# Allegro board SG2042_EVB_V1_1.brd (continued)
## Routing (per net, layer and track width the routed paths; a pad name or vN(x,y) marks a point on that pad's centre or on a via; arc(x,y) is an arc through that point) (continued)
DDR2_DQ50: length 60.8
  TOP w0.16: U1.BM5 v1(113.97,82.15)
  ART03 w0.089: 108.95,77.82 109.32,78.19 109.32,78.34 109.73,78.74 113.15,78.74 113.38,78.97 113.38,81.55 v1(113.97,82.15)
  ART03 w0.168: J3.126 70.01,58.12 arc(70.33,58.06) 70.61,57.88 70.81,57.67 arc(71.08,57.49) 71.4,57.43 72.38,57.43 arc(72.64,57.48) 72.86,57.62 73.26,58.03 arc(73.54,58.21) 73.86,58.28 75.7,58.28 arc(76.02,58.21) 76.29,58.03 76.7,57.62 arc(76.92,57.48) 77.17,57.43 77.2,57.43 arc(77.45,57.48) 77.66,57.62 78.07,58.03 arc(78.35,58.21) 78.67,58.28 79.5,58.28 arc(79.82,58.21) 80.09,58.03 80.5,57.62 arc(80.72,57.48) 80.97,57.43 81.27,57.43 81.41,57.56 85.09,57.56 87.31,59.79 87.31,60.91 104.04,77.65 108.78,77.65 108.95,77.82
DDR2_DQ51: length 60.9
  TOP w0.16: U1.BM7 v1(115.97,82.15)
  ART03 w0.089: v1(115.97,82.15) 115.38,81.55 113.66,81.55 113.57,81.46 113.57,78.89 113.22,78.55 109.81,78.55 109.51,78.26 109.51,78.11 109.36,77.96 109.36,77.4
  ART03 w0.168: J3.271 69.99,57.27 arc(70.16,57.16) 70.36,57.11 73.31,57.11 arc(73.63,57.18) 73.9,57.36 74.26,57.72 arc(74.53,57.9) 74.85,57.97 75.59,57.97 arc(75.85,57.91) 76.07,57.77 76.47,57.36 arc(76.75,57.18) 77.07,57.11 77.39,57.11 arc(77.71,57.18) 77.98,57.36 78.4,57.77 arc(78.61,57.92) 78.86,57.97 79.4,57.97 arc(79.65,57.92) 79.86,57.77 80.27,57.36 arc(80.55,57.18) 80.87,57.11 81.27,57.11 81.41,56.98 85.33,56.98 87.9,59.55 87.9,60.67 104.29,77.06 109.02,77.06 109.36,77.4
DDR2_DQ52: length 66.8
  TOP w0.16: U1.BH8 v1(116.97,86.15)
  ART03 w0.089: 108.47,84.6 108.78,84.91 108.78,85.79 109.73,86.74 116.38,86.74 v1(116.97,86.15)
  ART03 w0.168: J3.117 68.11,65.77 arc(68.43,65.71) 68.71,65.53 69.06,65.17 arc(69.34,64.99) 69.66,64.92 70.01,64.92 arc(70.33,64.99) 70.61,65.17 70.96,65.53 arc(71.24,65.71) 71.56,65.77 71.8,65.77 arc(72.12,65.84) 72.39,66.02 72.91,66.53 arc(73.18,66.71) 73.5,66.78 75.7,66.78 arc(76.02,66.71) 76.29,66.53 76.7,66.12 arc(76.92,65.98) 77.17,65.93 77.2,65.93 arc(77.45,65.98) 77.66,66.12 78.07,66.53 arc(78.35,66.71) 78.67,66.78 79.5,66.78 arc(79.82,66.71) 80.09,66.53 80.5,66.12 arc(80.72,65.98) 80.97,65.93 81.27,65.93 81.45,66.11 82.65,66.11 91.88,75.35 92.12,75.35 92.67,74.8 92.91,74.8 93.2,75.09 93.2,75.33 92.65,75.88 92.65,76.12 92.95,76.41 93.19,76.41 93.74,75.86 93.97,75.86 94.27,76.16 94.27,76.4 93.72,76.95 93.72,77.18 94.02,77.48 94.26,77.48 94.8,76.93 95.05,76.93 101.64,83.52 107.38,83.52 108.47,84.6
DDR2_DQ53: length 65
  TOP w0.16: U1.BH6 v1(114.97,86.15)
  ART03 w0.089: 108.88,84.19 108.97,84.27 108.97,85.71 109.81,86.55 114.57,86.55 v1(114.97,86.15)
  ART03 w0.168: J3.262 71.88,64.92 arc(72.13,64.97) 72.34,65.11 73.45,66.22 arc(73.72,66.4) 74.04,66.46 75.59,66.46 arc(75.85,66.41) 76.07,66.27 76.47,65.86 arc(76.75,65.68) 77.07,65.62 77.9,65.62 arc(78.22,65.68) 78.49,65.86 78.9,66.27 arc(79.12,66.42) 79.37,66.46 79.4,66.46 arc(79.65,66.42) 79.86,66.27 80.27,65.86 arc(80.55,65.68) 80.87,65.62 81.27,65.62 81.45,65.44 82.81,65.44 86.17,68.8 86.4,68.8 86.96,68.25 87.19,68.25 87.49,68.54 87.49,68.78 86.94,69.33 86.94,69.57 87.24,69.87 87.47,69.87 88.02,69.31 88.26,69.31 88.56,69.61 88.56,69.85 88.01,70.4 88.01,70.64 88.3,70.93 88.54,70.93 89.09,70.38 89.33,70.38 89.63,70.68 89.63,70.91 89.07,71.47 89.07,71.7 89.37,72 89.61,72 90.16,71.45 90.4,71.45 90.69,71.75 90.69,71.98 90.14,72.53 90.14,72.77 90.44,73.07 90.67,73.07 91.23,72.52 91.46,72.52 91.76,72.81 91.76,73.05 91.21,73.6 91.21,73.84 91.5,74.14 91.74,74.14 92.29,73.58 92.53,73.58 101.88,82.93 107.63,82.93 108.88,84.19
DDR2_DQ54: length 62
  TOP w0.16: U1.BL6 v1(114.97,83.15)
  ART03 w0.089: 108.59,78.85 108.84,78.85 109.73,79.74 112.15,79.74 112.38,79.97 112.38,82.47 112.65,82.74 114.57,82.74 v1(114.97,83.15)
  ART03 w0.168: 108.59,78.85 103.59,78.85 84.45,59.71 83.58,59.71 83.41,59.54 83.41,59.04 83.25,58.88 82.83,58.88 82.66,59.04 82.66,59.54 82.49,59.71 81.85,59.71 81.27,59.13 80.97,59.13 arc(80.72,59.18) 80.5,59.32 80.09,59.73 arc(79.82,59.91) 79.5,59.98 78.67,59.98 arc(78.35,59.91) 78.07,59.73 77.66,59.32 arc(77.45,59.18) 77.2,59.13 77.17,59.13 arc(76.92,59.18) 76.7,59.32 76.29,59.73 arc(76.02,59.91) 75.7,59.98 73.86,59.98 arc(73.54,59.91) 73.26,59.73 72.86,59.32 arc(72.64,59.18) 72.38,59.13 71.4,59.13 arc(71.08,59.19) 70.81,59.37 70.61,59.58 arc(70.33,59.76) 70.01,59.82 J3.124
DDR2_DQ55: length 63.3
  TOP w0.16: U1.BL8 v1(116.97,83.15)
  ART03 w0.089: v1(116.97,83.15) 116.38,82.55 112.73,82.55 112.57,82.39 112.57,79.9 112.19,79.52 109.78,79.52 108.51,78.26
  ART03 w0.168: J3.269 69.99,58.97 arc(70.16,58.86) 70.36,58.81 73.31,58.81 arc(73.63,58.88) 73.9,59.06 74.26,59.42 arc(74.53,59.6) 74.85,59.67 75.59,59.67 arc(75.85,59.61) 76.07,59.47 76.47,59.06 arc(76.75,58.88) 77.07,58.81 77.39,58.81 arc(77.71,58.88) 77.98,59.06 78.4,59.47 arc(78.61,59.62) 78.86,59.67 79.4,59.67 arc(79.65,59.62) 79.86,59.47 80.27,59.06 arc(80.55,58.88) 80.87,58.81 81.27,58.81 81.94,58.15 83.72,58.15 84.18,58.61 84.42,58.61 84.73,58.3 84.97,58.3 85.27,58.6 85.27,58.83 84.95,59.15 84.95,59.38 85.25,59.68 85.49,59.68 85.81,59.35 86.05,59.35 86.35,59.65 86.35,59.89 86.02,60.21 86.02,60.45 103.8,78.23 108.49,78.23 108.51,78.26
DDR2_DQ56: length 67.7
  TOP w0.16: U1.BN7 v1(115.97,81.15)
  ART03 w0.089: v1(115.97,81.15) 115.38,80.55 115.38,77.97 114.46,77.06 113.48,77.06
  ART03 w0.168: J3.130 70.01,54.72 arc(70.33,54.66) 70.61,54.48 70.81,54.27 arc(71.08,54.09) 71.4,54.03 72.38,54.03 arc(72.64,54.08) 72.86,54.22 73.26,54.63 arc(73.54,54.81) 73.86,54.88 75.7,54.88 arc(76.02,54.81) 76.29,54.63 76.7,54.22 arc(76.92,54.08) 77.17,54.03 77.2,54.03 arc(77.45,54.08) 77.66,54.22 78.07,54.63 arc(78.35,54.81) 78.67,54.88 79.5,54.88 arc(79.82,54.81) 80.09,54.63 80.5,54.22 arc(80.72,54.08) 80.97,54.03 81.27,54.03 82.02,54.78 88.54,54.78 88.71,54.62 88.71,53.89 88.88,53.72 89.3,53.72 89.47,53.89 89.47,55.15 89.63,55.32 90.05,55.32 90.22,55.15 90.22,53.89 90.39,53.72 91.13,53.72 108.35,70.94 108.35,71.92 113.48,77.06
DDR2_DQ57: length 65.8
  TOP w0.16: U1.BR7 v1(115.97,79.15)
  ART03 w0.089: v1(115.97,79.15) 115.57,78.74 115.57,77.89 114.54,76.86 114.12,76.86 113.92,76.67
  ART03 w0.168: 113.92,76.67 108.93,71.67 108.93,70.7 91.37,53.13 88.14,53.13 87.98,53.3 87.98,53.88 87.81,54.05 87.39,54.05 87.22,53.88 87.22,53.3 87.05,53.13 86.63,53.13 86.47,53.3 86.47,53.88 86.3,54.05 85.88,54.05 85.71,53.88 85.71,53.3 85.54,53.13 85.13,53.13 84.96,53.3 84.96,53.88 84.79,54.05 84.37,54.05 84.2,53.88 84.2,53.3 84.04,53.13 83.62,53.13 83.45,53.3 83.45,53.88 83.28,54.05 82.86,54.05 82.69,53.88 82.69,53.3 82.53,53.13 81.86,53.13 81.27,53.71 80.87,53.71 arc(80.55,53.78) 80.27,53.96 79.86,54.37 arc(79.65,54.52) 79.4,54.57 78.86,54.57 arc(78.61,54.52) 78.4,54.37 77.98,53.96 arc(77.71,53.78) 77.39,53.71 77.07,53.71 arc(76.75,53.78) 76.47,53.96 76.07,54.37 arc(75.85,54.51) 75.59,54.57 74.85,54.57 arc(74.53,54.5) 74.26,54.32 73.9,53.96 arc(73.63,53.78) 73.31,53.71 70.36,53.71 arc(70.16,53.76) 69.99,53.87 J3.275
DDR2_DQ58: length 73.9
  TOP w0.16: U1.BN10 v1(118.97,81.15)
  ART03 w0.168: J3.137 68.11,48.77 arc(68.43,48.71) 68.71,48.53 69.06,48.17 arc(69.34,47.99) 69.66,47.92 70.01,47.92 arc(70.33,47.86) 70.61,47.68 70.96,47.32 arc(71.24,47.14) 71.56,47.07 72.81,47.07 arc(73.13,47.14) 73.4,47.32 73.61,47.52 arc(73.88,47.7) 74.2,47.76 75.59,47.76 arc(75.85,47.71) 76.07,47.57 76.47,47.16 arc(76.75,46.98) 77.07,46.92 77.9,46.92 arc(78.22,46.98) 78.49,47.16 78.9,47.57 arc(79.12,47.72) 79.37,47.76 79.4,47.76 arc(79.65,47.72) 79.86,47.57 80.27,47.16 arc(80.55,46.98) 80.87,46.92 81.27,46.92 81.41,46.78 91.61,46.78 113.6,68.76 113.6,69.72 119.47,75.59 119.47,80.65 v1(118.97,81.15)
DDR2_DQ59: length 66.3
  TOP w0.16: U1.BT10 v1(118.97,78.15)
  ART03 w0.168: J3.282 71.59,47.92 arc(71.73,48.02) 71.91,48.06 75.75,48.06 arc(76.04,48) 76.29,47.83 76.7,47.42 arc(76.92,47.28) 77.17,47.23 77.2,47.23 arc(77.45,47.28) 77.66,47.42 78.07,47.83 arc(78.35,48.01) 78.67,48.08 79.5,48.08 arc(79.82,48.01) 80.09,47.83 80.5,47.42 arc(80.72,47.28) 80.97,47.23 81.27,47.23 81.41,47.36 88.36,47.36 88.53,47.53 88.53,48.45 88.7,48.62 89.12,48.62 89.29,48.45 89.29,47.53 89.45,47.36 89.87,47.36 90.04,47.53 90.04,48.45 90.21,48.62 92.62,48.62 113.01,69.01 113.01,69.96 118.97,75.92 v1(118.97,78.15)
DDR2_DQ60: length 66.5
  TOP w0.16: U1.BP6 v1(114.97,80.15)
  ART03 w0.089: v1(114.97,80.15) 114.38,79.55 114.38,77.92 114.15,77.69 112.46,77.69
  ART03 w0.168: J3.128 70.01,56.42 arc(70.33,56.36) 70.61,56.18 70.81,55.97 arc(71.08,55.79) 71.4,55.73 72.38,55.73 arc(72.64,55.78) 72.86,55.92 73.26,56.33 arc(73.54,56.51) 73.86,56.58 75.7,56.58 arc(76.02,56.51) 76.29,56.33 76.7,55.92 arc(76.92,55.78) 77.17,55.73 77.2,55.73 arc(77.45,55.78) 77.66,55.92 78.07,56.33 arc(78.35,56.51) 78.67,56.58 79.5,56.58 arc(79.82,56.51) 80.09,56.33 80.5,55.92 arc(80.72,55.78) 80.97,55.73 81.27,55.73 81.5,55.96 87.12,55.96 87.66,56.49 92.24,56.49 94.81,59.07 94.81,59.3 94.45,59.67 94.45,59.9 94.75,60.2 94.98,60.2 95.35,59.84 95.58,59.84 95.88,60.13 95.88,60.37 95.52,60.74 95.52,60.97 95.81,61.27 96.05,61.27 96.42,60.9 96.65,60.9 96.95,61.2 96.95,61.44 96.58,61.8 96.58,62.04 96.88,62.34 97.12,62.34 97.48,61.97 97.72,61.97 98.02,62.27 98.02,62.51 97.65,62.87 97.65,63.11 97.95,63.4 98.18,63.4 98.55,63.04 98.79,63.04 100.53,64.79 100.53,66.31 104.44,70.22 104.99,70.22 112.46,77.69
DDR2_DQ61: length 64.9
  TOP w0.16: U1.BR6 v1(114.97,79.15)
  ART03 w0.089: 112.92,77.32 113.1,77.5 114.23,77.5 114.57,77.84 114.57,78.74 v1(114.97,79.15)
  ART03 w0.168: 112.92,77.32 107.76,72.16 107.76,71.18 105.68,69.11 105.45,69.11 104.92,69.63 104.68,69.63 104.39,69.33 104.39,69.1 104.91,68.57 104.91,68.34 104.62,68.04 104.38,68.04 103.85,68.56 103.62,68.56 103.32,68.27 103.32,68.03 103.84,67.51 103.84,67.27 103.55,66.97 103.31,66.97 102.79,67.5 102.55,67.5 102.25,67.2 102.25,66.96 102.78,66.44 102.78,66.2 102.48,65.9 102.24,65.9 101.72,66.43 101.48,66.43 101.18,66.13 101.18,65.9 101.71,65.37 101.71,65.13 92.48,55.91 87.9,55.91 87.37,55.37 81.29,55.37 81.25,55.41 80.87,55.41 arc(80.55,55.48) 80.27,55.66 79.86,56.07 arc(79.65,56.22) 79.4,56.27 78.86,56.27 arc(78.61,56.22) 78.4,56.07 77.98,55.66 arc(77.71,55.48) 77.39,55.41 77.07,55.41 arc(76.75,55.48) 76.47,55.66 76.07,56.07 arc(75.85,56.21) 75.59,56.27 74.85,56.27 arc(74.53,56.2) 74.26,56.02 73.9,55.66 arc(73.63,55.48) 73.31,55.41 70.36,55.41 arc(70.16,55.46) 69.99,55.57 J3.273
DDR2_DQ62: length 70
  TOP w0.16: U1.BR10 v1(118.97,79.15)
  ART03 w0.168: v1(118.97,79.15) 118.49,78.66 118.49,76.27 112.43,70.2 112.43,69.25 92.55,49.38 88.37,49.38 87.5,48.51 83.77,48.51 83.46,48.82 82.37,48.82 82.07,48.51 81.38,48.51 81.27,48.62 80.87,48.62 arc(80.55,48.68) 80.27,48.86 79.86,49.27 arc(79.65,49.42) 79.4,49.46 79.37,49.46 arc(79.12,49.42) 78.9,49.27 78.49,48.86 arc(78.22,48.68) 77.9,48.62 77.07,48.62 arc(76.75,48.68) 76.47,48.86 76.07,49.27 arc(75.85,49.41) 75.59,49.46 74.2,49.46 arc(73.88,49.4) 73.61,49.22 73.56,49.17 arc(73.28,48.99) 72.96,48.92 71.4,48.92 arc(71.08,48.99) 70.81,49.17 70.61,49.38 arc(70.33,49.56) 70.01,49.62 69.66,49.62 arc(69.34,49.69) 69.06,49.87 68.71,50.23 arc(68.43,50.41) 68.11,50.47 J3.135
DDR2_DQ63: length 65.8
  TOP w0.16: U1.BT9 v1(117.97,78.15)
  ART03 w0.168: v1(117.97,78.15) 117.97,76.58 111.84,70.44 111.84,69.49 92.57,50.22 87.56,50.22 87.39,50.06 87.39,49.49 87.22,49.33 86.8,49.33 86.64,49.49 86.64,50.06 86.47,50.22 86.05,50.22 85.88,50.06 85.88,49.49 85.71,49.33 85.3,49.33 85.13,49.49 85.13,50.06 84.96,50.22 84.54,50.22 84.37,50.06 84.37,49.49 84.21,49.33 83.79,49.33 83.62,49.49 83.62,50.06 83.45,50.22 83.04,50.22 82.19,49.38 81.72,49.38 81.27,48.93 80.97,48.93 arc(80.72,48.98) 80.5,49.12 80.09,49.53 arc(79.82,49.71) 79.5,49.78 78.67,49.78 arc(78.35,49.71) 78.07,49.53 77.66,49.12 arc(77.45,48.98) 77.2,48.93 77.17,48.93 arc(76.92,48.98) 76.7,49.12 76.29,49.53 arc(76.02,49.71) 75.7,49.78 71.96,49.78 arc(71.76,49.74) 71.59,49.62 J3.280
DDR2_DQS0_N: length 92.6
  TOP w0.14: U1.AK4 v1(112.97,104.15)
  BOTTOM w0.109: 108.49,106.6 108.49,106.58 108.43,106.52 108.43,106.1 109.78,104.75 112.57,104.75 112.8,104.53 112.8,104.32 v1(112.97,104.15)
  BOTTOM w0.14: 108.49,106.6 108.49,145.9 91.55,162.84 80.97,162.84 arc(80.7,162.89) 80.47,163.04 80.13,163.38 arc(79.8,163.6) 79.41,163.68 79,163.68 arc(78.6,163.6) 78.27,163.38 77.93,163.04 arc(77.7,162.89) 77.44,162.84 77.15,162.84 arc(76.89,162.89) 76.66,163.04 76.31,163.39 arc(75.98,163.61) 75.59,163.69 74.37,163.69 arc(73.97,163.61) 73.64,163.39 73.3,163.04 arc(73.07,162.89) 72.8,162.84 71.12,162.84 arc(71.03,162.86) 70.97,162.93 70.96,162.94 arc(70.95,163.11) 71.06,163.24 J3.152
DDR2_DQS0_P: length 92.6
  TOP w0.14: U1.AK3 v1(111.97,104.15)
  BOTTOM w0.109: v1(111.97,104.15) 112.47,104.15 112.59,104.26 112.59,104.44 112.48,104.54 109.69,104.54 108.22,106.01 108.22,106.52 108.16,106.58 108.16,106.6
  BOTTOM w0.14: 108.16,106.6 108.16,145.76 91.41,162.51 80.97,162.51 arc(80.57,162.59) 80.24,162.81 79.9,163.15 arc(79.67,163.3) 79.41,163.35 79,163.35 arc(78.73,163.3) 78.5,163.15 78.16,162.81 arc(77.83,162.58) 77.44,162.51 77.15,162.51 arc(76.76,162.58) 76.43,162.81 76.08,163.15 arc(75.85,163.31) 75.59,163.36 74.37,163.36 arc(74.1,163.31) 73.87,163.15 73.53,162.81 arc(73.19,162.58) 72.8,162.51 71.12,162.51 arc(70.91,162.52) 70.71,162.54 J3.153
DDR2_DQS1_N: length 84.3
  TOP w0.14: U1.AR3 v1(111.97,99.15)
  BOTTOM w0.109: v1(111.97,99.15) 112.34,99.15 112.45,99.26 112.45,99.42 112.33,99.53 109.64,99.53 108.74,100.43 108.14,100.43 108.08,100.37 108.05,100.37
  BOTTOM w0.14: J3.163 70.24,153.33 arc(70.31,153.17) 70.41,153.04 70.84,152.61 arc(71.17,152.38) 71.57,152.31 72.8,152.31 arc(73.19,152.38) 73.53,152.61 73.87,152.95 arc(74.1,153.1) 74.37,153.16 75.6,153.16 arc(75.87,153.1) 76.09,152.95 76.44,152.61 arc(76.77,152.38) 77.17,152.31 77.5,152.31 arc(77.89,152.38) 78.23,152.61 78.57,152.95 arc(78.8,153.1) 79.07,153.16 79.4,153.16 arc(79.67,153.1) 79.89,152.95 80.24,152.61 arc(80.57,152.38) 80.97,152.31 81.96,152.31 102.56,131.71 102.56,103.91 106.09,100.37 108.05,100.37
DDR2_DQS1_P: length 84.3
  TOP w0.14: U1.AR4 v1(112.97,99.15)
  BOTTOM w0.109: v1(112.97,99.15) 112.97,99.19 112.42,99.75 109.73,99.75 108.83,100.64 108.14,100.64 108.08,100.7 108.05,100.7
  BOTTOM w0.14: J3.164 70.89,153.69 arc(70.73,153.71) 70.6,153.6 70.6,153.6 arc(70.57,153.42) 70.65,153.27 71.07,152.84 arc(71.3,152.69) 71.57,152.64 72.8,152.64 arc(73.07,152.69) 73.3,152.84 73.64,153.19 arc(73.97,153.41) 74.37,153.49 75.6,153.49 arc(75.99,153.41) 76.33,153.19 76.67,152.84 arc(76.9,152.69) 77.17,152.64 77.5,152.64 arc(77.77,152.69) 77.99,152.84 78.34,153.19 arc(78.67,153.41) 79.07,153.49 79.4,153.49 arc(79.79,153.41) 80.13,153.19 80.47,152.84 arc(80.7,152.69) 80.97,152.64 82.1,152.64 102.89,131.85 102.89,104.04 106.23,100.7 108.05,100.7
DDR2_DQS2_N: length 72.8
  TOP w0.14: U1.AJ6 v1(114.97,105.15)
  ART03 w0.109: 108.26,106.91 108.34,106.83 108.34,106.77 109.36,105.75 114.56,105.75 114.79,105.52 114.79,105.33 v1(114.97,105.15)
  ART03 w0.145: 108.26,106.91 104.68,110.49 104.68,127.03 87.61,144.1 80.96,144.1 arc(80.69,144.16) 80.45,144.32 80.1,144.66 arc(79.78,144.88) 79.4,144.95 79.06,144.95 arc(78.68,144.88) 78.36,144.66 78.02,144.32 arc(77.78,144.16) 77.5,144.1 77.16,144.1 arc(76.89,144.16) 76.65,144.32 76.3,144.66 arc(75.98,144.88) 75.6,144.95 74.36,144.95 arc(73.99,144.88) 73.66,144.66 73.32,144.32 arc(73.08,144.16) 72.8,144.1 71.14,144.1 arc(71.05,144.13) 70.99,144.2 arc(70.97,144.4) 71.1,144.56 J3.174
DDR2_DQS2_P: length 72.9
  TOP w0.14: U1.AJ5 v1(113.97,105.15)
  ART03 w0.109: 108.08,106.72 108.1,106.7 108.11,106.7 109.27,105.54 114.47,105.54 114.58,105.43 114.58,105.26 114.47,105.15 v1(113.97,105.15)
  ART03 w0.145: 108.08,106.72 104.42,110.38 104.42,126.92 87.5,143.84 80.96,143.84 arc(80.58,143.91) 80.26,144.13 79.92,144.48 arc(79.68,144.63) 79.4,144.69 79.06,144.69 arc(78.79,144.63) 78.55,144.48 78.2,144.13 arc(77.88,143.91) 77.5,143.84 77.16,143.84 arc(76.78,143.91) 76.46,144.13 76.12,144.48 arc(75.88,144.63) 75.6,144.69 74.36,144.69 arc(74.09,144.63) 73.85,144.48 73.5,144.13 arc(73.18,143.91) 72.8,143.84 70.98,143.84 arc(70.93,143.84) 70.88,143.85 J3.175
DDR2_DQS3_N: length 72.9
  TOP w0.14: U1.AR7 v1(115.97,99.15)
  ART03 w0.109: 107.97,98.82 107.99,98.82 108.02,98.84 108.32,98.84 109.02,99.54 116.43,99.54 116.54,99.43 116.54,99.26 116.43,99.15 v1(115.97,99.15)
  ART03 w0.145: 107.97,98.82 105.47,98.82 96.99,107.3 96.99,121 84.34,133.64 80.95,133.64 arc(80.57,133.71) 80.25,133.93 79.9,134.28 arc(79.67,134.43) 79.39,134.49 79.06,134.49 arc(78.79,134.43) 78.55,134.28 78.2,133.93 arc(77.88,133.71) 77.5,133.64 77.16,133.64 arc(76.78,133.71) 76.46,133.93 76.11,134.28 arc(75.88,134.43) 75.6,134.49 74.36,134.49 arc(74.09,134.43) 73.85,134.28 73.5,133.93 arc(73.18,133.71) 72.8,133.64 71.6,133.64 arc(71.22,133.71) 70.9,133.93 70.45,134.38 arc(70.36,134.5) 70.29,134.64 J3.185
DDR2_DQS3_P: length 72.9
  TOP w0.14: U1.AR8 v1(116.97,99.15)
  ART03 w0.109: v1(116.97,99.15) 116.75,99.37 116.75,99.52 116.52,99.75 108.93,99.75 108.23,99.05 108.02,99.05 107.99,99.08 107.97,99.08
  ART03 w0.145: J3.186 70.95,134.96 arc(70.77,134.98) 70.63,134.86 70.61,134.82 arc(70.59,134.68) 70.65,134.55 71.09,134.12 arc(71.33,133.96) 71.6,133.9 72.8,133.9 arc(73.08,133.96) 73.32,134.12 73.66,134.46 arc(73.99,134.68) 74.36,134.75 75.6,134.75 arc(75.98,134.68) 76.3,134.46 76.65,134.12 arc(76.89,133.96) 77.16,133.9 77.5,133.9 arc(77.78,133.96) 78.01,134.12 78.36,134.46 arc(78.68,134.68) 79.06,134.75 79.39,134.75 arc(79.77,134.68) 80.09,134.46 80.44,134.12 arc(80.67,133.96) 80.95,133.9 84.45,133.9 97.25,121.11 97.25,107.41 105.58,99.08 107.97,99.08
DDR2_DQS4_N: length 44.4
  TOP w0.14: U1.BK1 v1(109.97,84.15)
  BOTTOM w0.109: 108.71,83.36 108.73,83.38 108.82,83.38 109.19,83.75 110.49,83.75 110.6,83.87 110.6,84.04 110.47,84.17 110,84.17 v1(109.97,84.15)
  BOTTOM w0.14: J3.244 71.06,79.94 arc(70.95,79.81) 70.97,79.63 70.97,79.61 arc(71.03,79.56) 71.1,79.54 72.8,79.54 arc(73.07,79.59) 73.29,79.74 73.64,80.09 arc(73.97,80.31) 74.37,80.39 75.6,80.39 arc(75.87,80.44) 76.09,80.59 76.44,80.94 arc(76.77,81.16) 77.17,81.24 77.5,81.24 arc(77.89,81.16) 78.23,80.94 78.57,80.59 arc(78.8,80.44) 79.07,80.39 79.4,80.39 arc(79.67,80.44) 79.89,80.59 80.24,80.94 arc(80.57,81.16) 80.97,81.24 81.87,81.24 82.54,81.91 91.21,81.91 92.47,83.17 108.51,83.17 108.71,83.36
DDR2_DQS4_P: length 44.3
  TOP w0.14: U1.BK2 v1(110.97,84.15)
  BOTTOM w0.109: v1(110.97,84.15) 110.81,83.99 110.81,83.78 110.58,83.54 109.27,83.54 109.04,83.31 109.04,83.23 108.95,83.13
  BOTTOM w0.14: 108.95,83.13 108.65,82.84 92.61,82.84 91.35,81.58 82.68,81.58 82.01,80.91 80.97,80.91 arc(80.7,80.85) 80.47,80.7 80.13,80.36 arc(79.79,80.13) 79.4,80.06 79.07,80.06 arc(78.67,80.13) 78.34,80.36 77.99,80.7 arc(77.77,80.85) 77.5,80.91 77.17,80.91 arc(76.9,80.85) 76.67,80.7 76.33,80.36 arc(75.99,80.13) 75.6,80.06 74.37,80.06 arc(74.1,80) 73.87,79.85 73.53,79.51 arc(73.19,79.28) 72.8,79.21 70.97,79.21 arc(70.91,79.21) 70.85,79.22 J3.245
DDR2_DQS5_N: length 52.8
  TOP w0.14: U1.BP4 v1(112.97,80.15)
  BOTTOM w0.109: v1(112.97,80.15) 112.97,80.41 112.86,80.52 112.69,80.52 112.58,80.41 112.58,77.32 111.99,76.73 111.99,76.64 111.97,76.62
  BOTTOM w0.14: 111.97,76.62 111.05,75.7 98.53,75.7 91.84,69.01 80.97,69.01 arc(80.57,69.08) 80.24,69.31 79.89,69.65 arc(79.67,69.8) 79.4,69.86 79.07,69.86 arc(78.8,69.8) 78.57,69.65 78.23,69.31 arc(77.89,69.08) 77.5,69.01 77.17,69.01 arc(76.77,69.08) 76.44,69.31 76.09,69.65 arc(75.87,69.8) 75.6,69.86 74.37,69.86 arc(74.1,69.8) 73.87,69.65 73.53,69.31 arc(73.19,69.08) 72.8,69.01 71.57,69.01 arc(71.17,69.08) 70.84,69.31 70.41,69.74 arc(70.31,69.87) 70.24,70.03 J3.255
DDR2_DQS5_P: length 52.7
  TOP w0.14: U1.BN4 v1(112.97,81.15)
  BOTTOM w0.109: v1(112.97,81.15) 112.97,80.84 112.86,80.73 112.6,80.73 112.37,80.5 112.37,77.4 111.84,76.88 111.76,76.88 111.74,76.86
  BOTTOM w0.14: 111.74,76.86 110.91,76.03 98.4,76.03 91.7,69.34 80.97,69.34 arc(80.7,69.39) 80.47,69.54 80.13,69.89 arc(79.79,70.11) 79.4,70.19 79.07,70.19 arc(78.67,70.11) 78.34,69.89 77.99,69.54 arc(77.77,69.39) 77.5,69.34 77.17,69.34 arc(76.9,69.39) 76.67,69.54 76.33,69.89 arc(75.99,70.11) 75.6,70.19 74.37,70.19 arc(73.97,70.11) 73.64,69.89 73.3,69.54 arc(73.07,69.39) 72.8,69.34 71.57,69.34 arc(71.3,69.39) 71.07,69.54 70.65,69.97 arc(70.57,70.12) 70.59,70.29 70.6,70.3 arc(70.72,70.41) 70.89,70.39 J3.256
DDR2_DQS6_N: length 58
  TOP w0.14: U1.BK5 v1(113.97,84.15)
  ART03 w0.109: 108.47,79.94 108.5,79.94 108.53,79.92 108.79,79.92 109.62,80.75 111.16,80.75 111.37,80.96 111.37,83.4 111.72,83.75 114.33,83.75 114.44,83.86 114.44,84.04 114.33,84.15 v1(113.97,84.15)
  ART03 w0.145: J3.266 71.07,61.25 arc(70.95,61.11) 70.97,60.94 70.97,60.94 arc(71.07,60.84) 71.2,60.8 72.8,60.8 arc(73.08,60.86) 73.32,61.02 73.66,61.36 arc(73.99,61.58) 74.36,61.65 75.6,61.65 arc(75.98,61.58) 76.3,61.36 76.65,61.02 arc(76.89,60.86) 77.16,60.8 77.5,60.8 arc(77.78,60.86) 78.01,61.02 78.36,61.36 arc(78.68,61.58) 79.06,61.65 79.4,61.65 arc(79.78,61.58) 80.1,61.36 80.45,61.02 arc(80.69,60.86) 80.96,60.8 84,60.8 103.14,79.94 108.47,79.94
DDR2_DQS6_P: length 58.1
  TOP w0.14: U1.BK6 v1(114.97,84.15)
  ART03 w0.109: 108.47,79.68 108.5,79.68 108.53,79.71 108.88,79.71 109.71,80.54 111.24,80.54 111.58,80.88 111.58,83.31 111.8,83.54 114.42,83.54 114.97,84.09 v1(114.97,84.15)
  ART03 w0.145: 108.47,79.68 103.25,79.68 84.11,60.54 80.96,60.54 arc(80.58,60.61) 80.26,60.83 79.92,61.18 arc(79.68,61.33) 79.4,61.39 79.06,61.39 arc(78.79,61.33) 78.55,61.18 78.2,60.83 arc(77.88,60.61) 77.5,60.54 77.16,60.54 arc(76.78,60.61) 76.46,60.83 76.12,61.18 arc(75.88,61.33) 75.6,61.39 74.36,61.39 arc(74.09,61.33) 73.85,61.18 73.5,60.83 arc(73.18,60.61) 72.8,60.54 70.98,60.54 arc(70.93,60.54) 70.88,60.55 J3.267
DDR2_DQS7_N: length 67
  TOP w0.14: U1.BN9 v1(117.97,81.15)
  ART03 w0.109: v1(117.97,81.15) 118.58,80.54 118.58,79.84 118.28,79.54 117.72,79.54 117.58,79.4 117.58,77.42 116.35,76.19 116.35,76.12 116.27,76.05
  ART03 w0.145: J3.277 70.27,51.33 arc(70.34,51.18) 70.45,51.05 70.87,50.63 arc(71.19,50.41) 71.56,50.34 72.8,50.34 arc(73.18,50.41) 73.5,50.63 73.85,50.98 arc(74.09,51.13) 74.36,51.19 75.6,51.19 arc(75.88,51.13) 76.12,50.98 76.46,50.63 arc(76.78,50.41) 77.16,50.34 77.5,50.34 arc(77.88,50.41) 78.2,50.63 78.55,50.98 arc(78.79,51.13) 79.06,51.19 79.4,51.19 arc(79.68,51.13) 79.92,50.98 80.26,50.63 arc(80.58,50.41) 80.96,50.34 81.98,50.34 82.69,51.05 92.23,51.05 111.01,69.84 111.01,70.79 116.27,76.05
DDR2_DQS7_P: length 66.9
  TOP w0.14: U1.BP9 v1(117.97,80.15)
  ART03 w0.109: 116.08,76.23 116.1,76.25 116.12,76.25 117.37,77.5 117.37,79.49 117.63,79.75 118.19,79.75 118.37,79.93 118.37,80.45 118.1,80.72 117.9,80.72 117.79,80.61 117.79,80.33 v1(117.97,80.15)
  ART03 w0.145: 116.08,76.23 110.75,70.9 110.75,69.94 92.12,51.32 82.58,51.32 81.87,50.6 80.96,50.6 arc(80.69,50.66) 80.45,50.82 80.1,51.16 arc(79.78,51.38) 79.4,51.45 79.06,51.45 arc(78.68,51.38) 78.36,51.16 78.02,50.82 arc(77.78,50.66) 77.5,50.6 77.16,50.6 arc(76.89,50.66) 76.65,50.82 76.3,51.16 arc(75.98,51.38) 75.6,51.45 74.36,51.45 arc(73.99,51.38) 73.66,51.16 73.32,50.82 arc(73.08,50.66) 72.8,50.6 71.56,50.6 arc(71.29,50.66) 71.05,50.82 70.69,51.18 arc(70.6,51.36) 70.63,51.57 70.63,51.57 arc(70.77,51.68) 70.94,51.66 J3.278
DDR2_ECC_DM_N: length 70.3
  TOP w0.14: U1.AY4 v1(112.97,94.15)
  BOTTOM w0.109: 107.55,96.11 107.58,96.11 107.64,96.05 109.11,96.05 109.4,95.75 112.32,95.75 112.58,95.5 112.58,94.61 v1(112.97,94.15)
  BOTTOM w0.14: 107.55,96.11 104.16,96.11 98.32,101.95 98.32,112.01 83.19,127.14 80.97,127.14 arc(80.7,127.19) 80.47,127.34 80.13,127.69 arc(79.79,127.91) 79.4,127.99 79.07,127.99 arc(78.67,127.91) 78.34,127.69 77.99,127.34 arc(77.77,127.19) 77.5,127.14 77.17,127.14 arc(76.9,127.19) 76.67,127.34 76.33,127.69 arc(75.99,127.91) 75.6,127.99 74.37,127.99 arc(73.97,127.91) 73.64,127.69 73.3,127.34 arc(73.07,127.19) 72.8,127.14 71.57,127.14 arc(71.17,127.06) 70.84,126.84 70.5,126.49 arc(70.27,126.34) 70,126.29 69.67,126.29 arc(69.27,126.21) 68.94,125.99 68.6,125.64 arc(68.37,125.49) 68.1,125.44 67.77,125.44 arc(67.5,125.49) 67.27,125.64 66.84,126.07 arc(66.77,126.22) 66.8,126.39 66.8,126.4 arc(66.92,126.51) 67.09,126.49 J3.52
DDR2_ECC_DM_P: length 70.2
  TOP w0.14: U1.AY3 v1(111.97,94.15)
  BOTTOM w0.109: 107.55,95.78 107.58,95.78 107.64,95.84 109.02,95.84 109.32,95.54 112.24,95.54 112.37,95.41 112.37,94.95 112.25,94.84 112.25,94.6 112.37,94.49 112.37,94.26 112.26,94.15 v1(111.97,94.15)
  BOTTOM w0.14: J3.51 66.44,126.13 arc(66.51,125.97) 66.61,125.84 67.04,125.41 arc(67.37,125.18) 67.77,125.11 68.1,125.11 arc(68.5,125.18) 68.83,125.41 69.17,125.75 arc(69.4,125.9) 69.67,125.96 70,125.96 arc(70.4,126.03) 70.73,126.26 71.07,126.6 arc(71.3,126.75) 71.57,126.81 72.8,126.81 arc(73.19,126.88) 73.53,127.11 73.87,127.45 arc(74.1,127.6) 74.37,127.66 75.6,127.66 arc(75.87,127.6) 76.09,127.45 76.44,127.11 arc(76.77,126.88) 77.17,126.81 77.5,126.81 arc(77.89,126.88) 78.23,127.11 78.57,127.45 arc(78.8,127.6) 79.07,127.66 79.4,127.66 arc(79.67,127.6) 79.89,127.45 80.24,127.11 arc(80.57,126.88) 80.97,126.81 83.05,126.81 97.99,111.87 97.99,101.81 104.02,95.78 107.55,95.78
